# Altium PCB BW2098POE.PcbDoc (part 1 of 4) (continued)
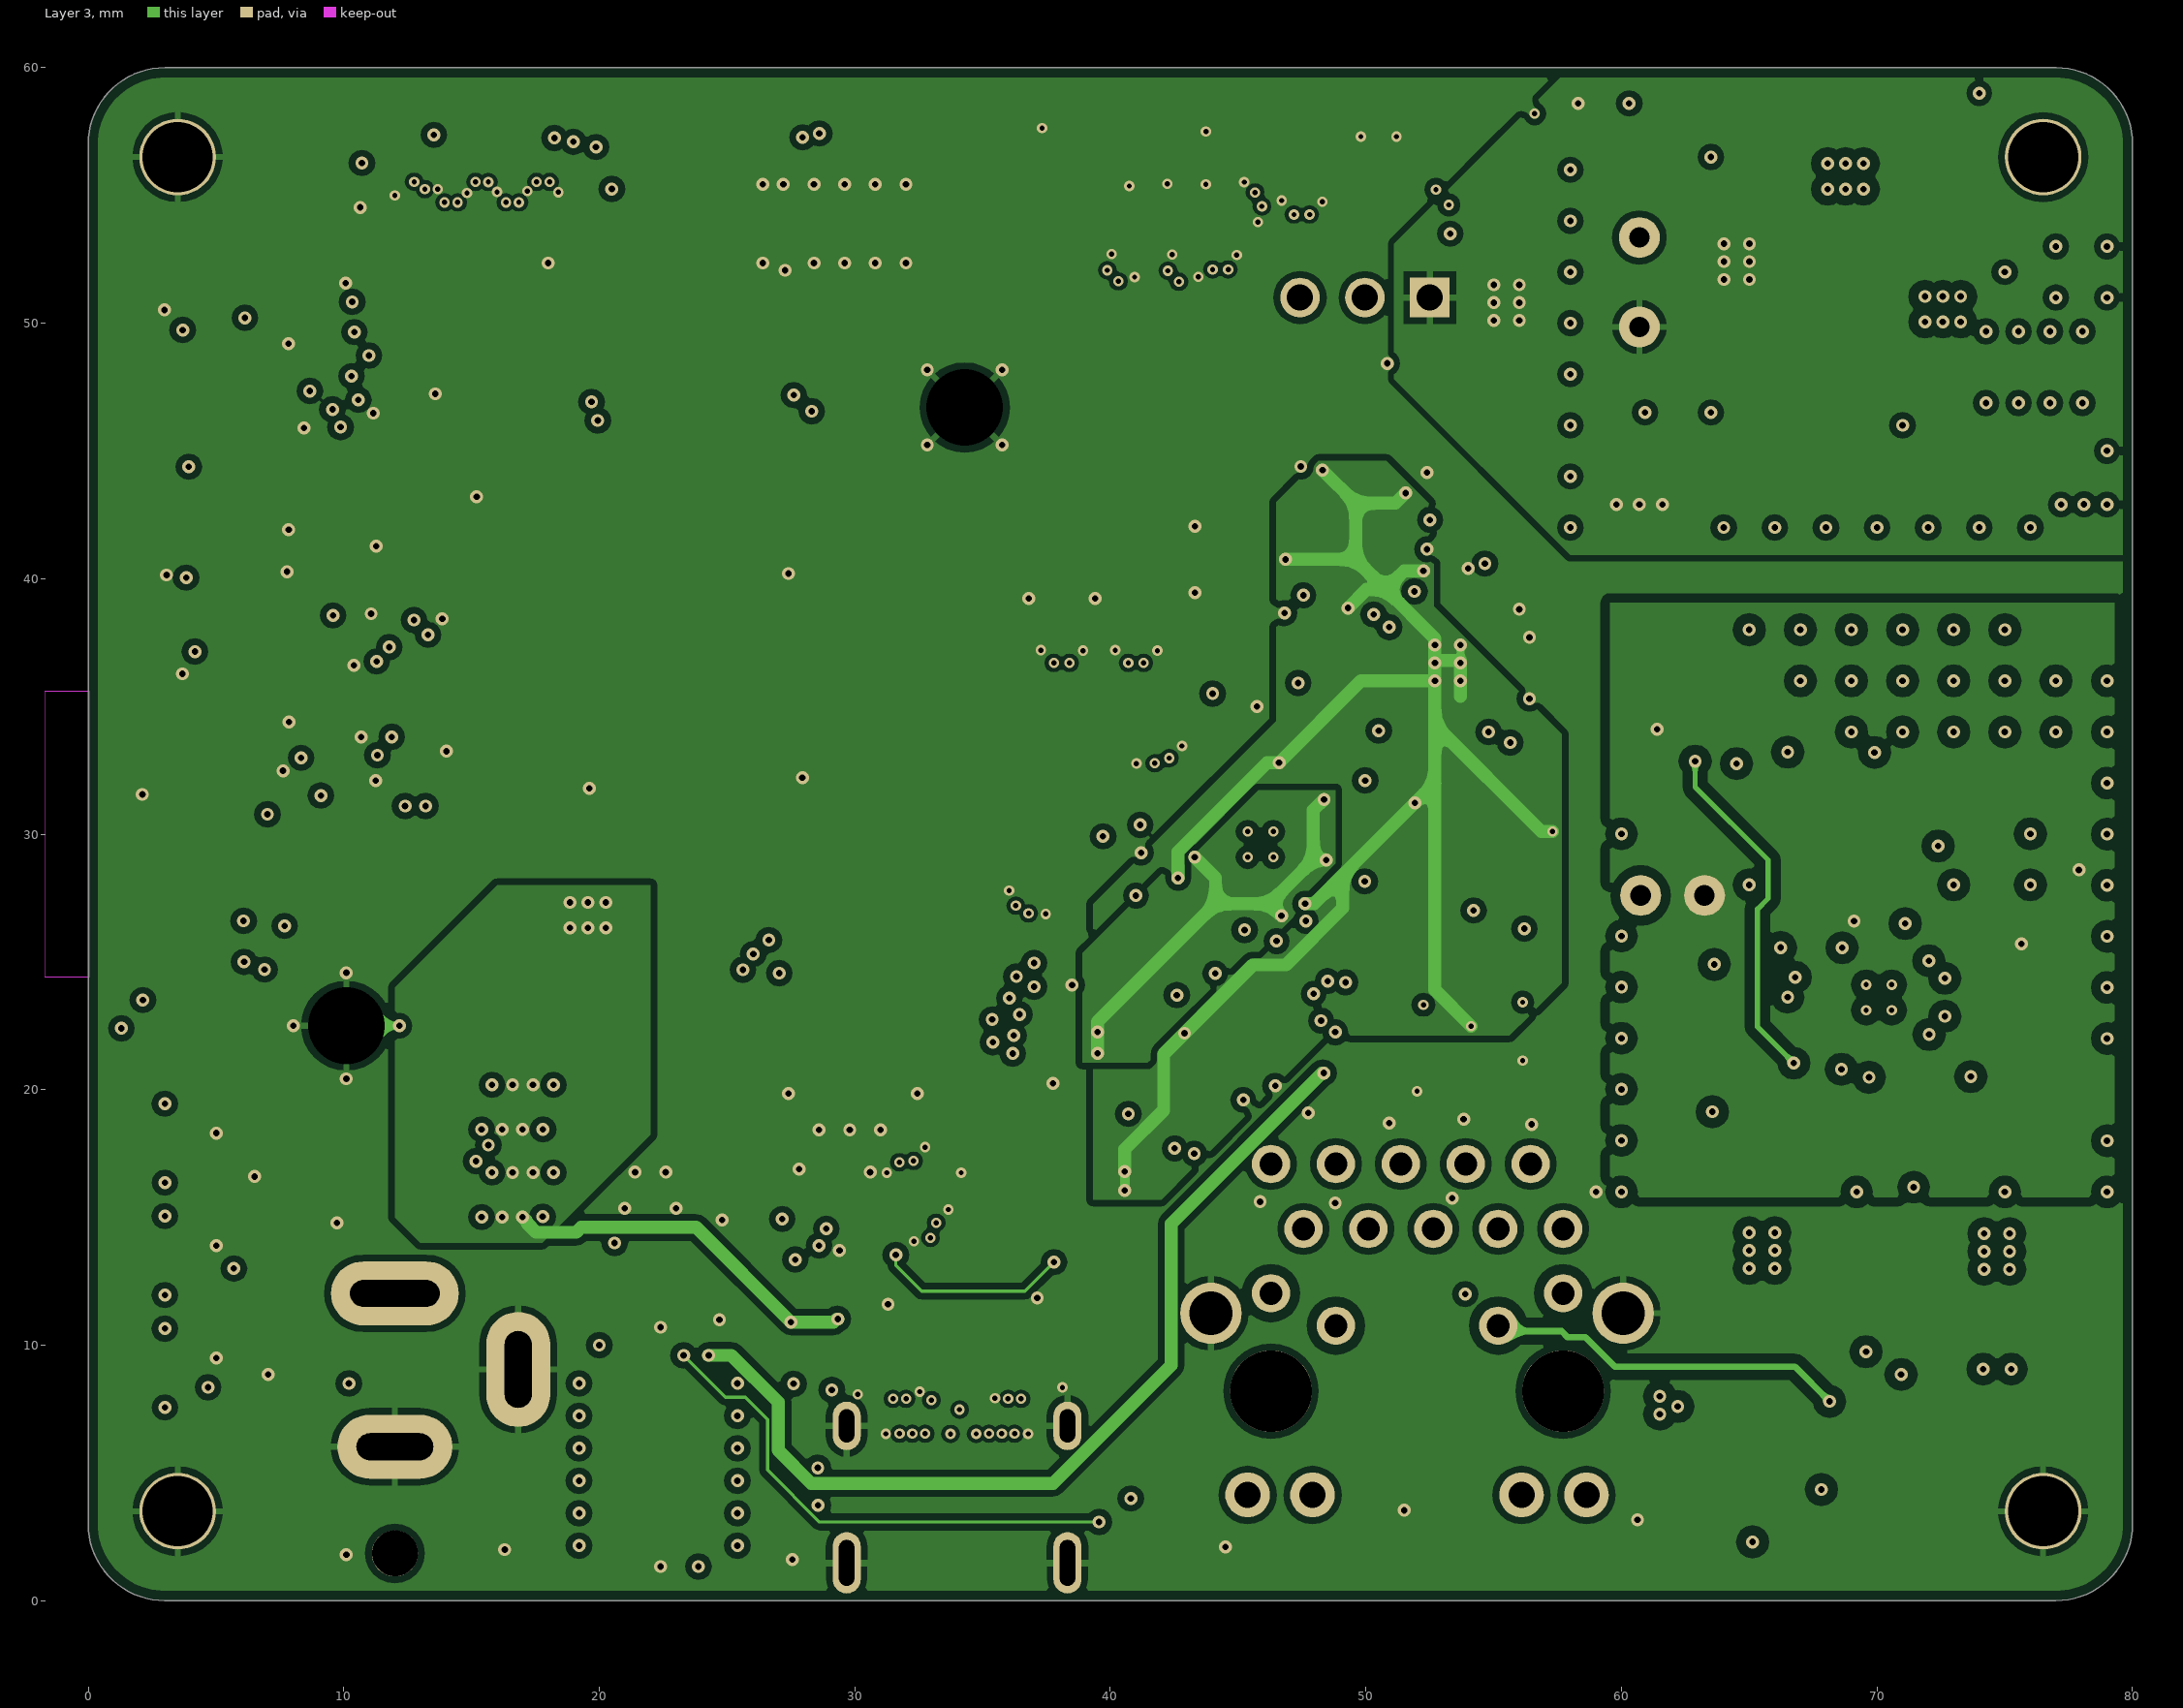
[diagram p3: Layer 3]

## Layer stack, top to bottom
Top Solder: solder mask 0.015, Solder Resist, Dk 3.8
Top Layer: signal copper 0.043
Dielectric 1: prepreg 0.21, FR-4, Dk 4.2
Layer 2: signal copper 0.036
Dielectric 2: core 1, FR-4, Dk 4.2
Layer 3: signal copper 0.036
Dielectric 3: prepreg 0.21, FR-4, Dk 4.2
Bottom Layer: signal copper 0.043
Bottom Solder: solder mask 0.015, Solder Resist, Dk 3.8

## Board outline
0,3 0,57 cw(c3,57) 3,60 2.994,60 77,60 cw(c77,57) 80,57 80,3 cw(c77,3) 77,0 2.996,0 3,0 cw(c3,3)

## Design rules (kind name [scope] priority, off if disabled: settings)
AssemblyTestPointUsage [All] p1: valid=2
BoardOutlineClearance [All] p1: gap=0.381 ignorepadtopadclearanceinfootprint=FALSE
Clearance Diff_Pair_Spacing [(InDifferentialPairClass('All Differential Pairs'))] p1: gap=0.102 ignorepadtopadclearanceinfootprint=TRUE except(0.089: Via-Via; 0.254: SMDPad-Poly THPad-Poly Via-Poly; 0.508: Arc-Poly Track-Poly Fill-Poly Poly-Poly)
Clearance PoE [InNetClass('PoE')] p2: gap=0.254 ignorepadtopadclearanceinfootprint=TRUE except(0.102: Track-SMDPad; 0.203: Arc-Track Track-Track; 0.381: Arc-Poly Track-Poly SMDPad-Poly THPad-Poly Via-Poly Fill-Poly Poly-Poly)
Clearance general [All] p3: gap=0.102 ignorepadtopadclearanceinfootprint=FALSE except(0.254: Arc-Poly Track-Poly SMDPad-Poly THPad-Poly Via-Poly Fill-Poly Poly-Poly Poly-Region Poly-Text Poly-Hole)
ComponentClearance [All] p1: gap=0 collisioncheckmode=3 verticalgap=0 showdistances=FALSE
DiffPairsRouting 85ohm [InDifferentialPairClass('85ohm')] p1: maxlimit=0.127 minlimit=0.102 mostfreqgap=0.102 toplayer_maxgap=0.102 toplayer_minwidth=0.223 toplayer_maxwidth=0.262 toplayer_prefwidth=0.223 midlayer1_maxgap=0.102 midlayer1_minwidth=0.11 midlayer1_maxwidth=0.134 midlayer1_prefwidth=0.11 midlayer2_minwidth=0.11 midlayer2_maxwidth=0.146 midlayer2_prefwidth=0.11 bottomlayer_maxgap=0.102 bottomlayer_minwidth=0.223 bottomlayer_maxwidth=0.262 bottomlayer_prefwidth=0.223 impedanceprofiledriven=TRUE impedanceprofileid={B2EF6B95-9841-4F3D-8FFB-9271AE929084} impedanceprofilevalue=85.000000 maxuncoupledlength=12.7
DiffPairsRouting 90ohm [InDifferentialPairClass('USB3')] p2: maxlimit=0.127 minlimit=0.102 mostfreqgap=0.102 toplayer_maxgap=0.102 toplayer_minwidth=0.178 toplayer_maxwidth=0.22 toplayer_prefwidth=0.178 midlayer1_maxgap=0.102 midlayer1_minwidth=0.087 midlayer1_maxwidth=0.107 midlayer1_prefwidth=0.087 midlayer2_minwidth=0.087 midlayer2_maxwidth=0.118 midlayer2_prefwidth=0.087 bottomlayer_maxgap=0.102 bottomlayer_minwidth=0.178 bottomlayer_maxwidth=0.22 bottomlayer_prefwidth=0.178 impedanceprofiledriven=TRUE impedanceprofileid={C56245C1-C5AB-4F6E-A437-C06DDAA5154F} impedanceprofilevalue=90.000000 maxuncoupledlength=12.7
DiffPairsRouting 100ohm [InDifferentialPairClass('100ohm')] p3: maxlimit=0.127 minlimit=0.102 mostfreqgap=0.102 toplayer_minwidth=0.13 toplayer_maxwidth=0.206 toplayer_prefwidth=0.13 midlayer1_minwidth=0.066 midlayer1_maxwidth=0.104 midlayer1_prefwidth=0.066 midlayer2_minwidth=0.066 midlayer2_maxwidth=0.104 midlayer2_prefwidth=0.066 bottomlayer_minwidth=0.13 bottomlayer_maxwidth=0.206 bottomlayer_prefwidth=0.13 impedanceprofiledriven=TRUE impedanceprofileid={CE2D0F07-EA82-46F5-BFF9-666C77EE5118} impedanceprofilevalue=100.000000 maxuncoupledlength=12.7
FabricationTestPointUsage [All] p1: valid=2 allowmultiple=FALSE
HoleSize [All] p1: absolutevalues=TRUE maxlimit=3.81 minlimit=0.025 maxpercent=80.000 minpercent=20.000
HoleToHoleClearance [All] p1: gap=0.254 allowstackedmicrovias=FALSE
MatchedLengths USBD_XSIG [InxSignalClass('USBD')] p1: tolerance=1.27 checknetsindiffpair=TRUE checkdiffpairvsdiffpair=FALSE checkxsignals=FALSE checkothers=FALSE
MatchedLengths USBRX_XSIG [InxSignalClass('USBRX')] p2: tolerance=0.127 checknetsindiffpair=TRUE checkdiffpairvsdiffpair=FALSE checkxsignals=FALSE checkothers=FALSE
MatchedLengths USBTX_XSIG [InxSignalClass('USBTX')] p3: tolerance=0.127 checknetsindiffpair=TRUE checkdiffpairvsdiffpair=FALSE checkxsignals=FALSE checkothers=FALSE
MatchedLengths SPI [InNetClass('QSPI')] p4: tolerance=25.4 checknetsindiffpair=FALSE checkdiffpairvsdiffpair=TRUE checkxsignals=TRUE checkothers=TRUE usedelayunits=TRUE delaytolerance=10.000000
MatchedLengths SDIO [InNetClass('SDIO')] p5: tolerance=25.4 checknetsindiffpair=FALSE checkdiffpairvsdiffpair=TRUE checkxsignals=TRUE checkothers=TRUE usedelayunits=TRUE delaytolerance=10.000000
MatchedLengths MIPI_A [InNetClass('MIPI_CAM_A')] p6: tolerance=25.4 checknetsindiffpair=FALSE checkdiffpairvsdiffpair=TRUE checkxsignals=TRUE checkothers=TRUE usedelayunits=TRUE delaytolerance=1.000000
MatchedLengths DIFF_PAIR [(InDifferentialPairClass('100ohm') or InDifferentialPairClass('85ohm'))] p7: tolerance=0.127 checknetsindiffpair=TRUE checkdiffpairvsdiffpair=FALSE checkxsignals=FALSE checkothers=FALSE
MinimumSolderMaskSliver USB3_Connector [HasFootprint('105450-0101')] p1: minsoldermaskwidth=0.003
MinimumSolderMaskSliver RTL8111 [HasFootprint('RTL8111HX-CG')] p2: minsoldermaskwidth=0.003
MinimumSolderMaskSliver [All] p3: minsoldermaskwidth=0.076
PlaneConnect [All] p1: pad.planeconnectstyle=Relief pad.reliefexpansion=0.508 pad.reliefentries=4 pad.reliefconductorwidth=0.254 pad.reliefairgap=0.254 via.planeconnectstyle=Direct via.reliefexpansion=0.508 via.reliefentries=4 via.reliefconductorwidth=0.254 via.reliefairgap=0.254
PolygonConnect DirectConnect [InPolygonClass('DirectConnectPoly')] p1: connectstyle=Direct reliefconductorwidth=0.254 reliefentries=4 polygonreliefangle="90 Angle" airgapwidth=0.254
PolygonConnect OuterLayerGND_PolyClass [InPolygonClass('OuterLayerGND')] p2: thpad.connectstyle=Relief thpad.reliefconductorwidth=0.254 thpad.reliefentries=4 thpad.polygonreliefangle="90 Angle" thpad.airgapwidth=0.254 smdpad.connectstyle=Relief smdpad.reliefconductorwidth=0.254 smdpad.reliefentries=4 smdpad.polygonreliefangle="90 Angle" smdpad.airgapwidth=0.254 via.connectstyle=Direct via.reliefconductorwidth=0.254 via.reliefentries=4 via.polygonreliefangle="90 Angle" via.airgapwidth=0.254
PolygonConnect PoE_Poly [InPolygonClass('PoE_Poly')] p3: thpad.connectstyle=Direct thpad.reliefconductorwidth=0.254 thpad.reliefentries=4 thpad.polygonreliefangle="90 Angle" thpad.airgapwidth=0.254 smdpad.connectstyle=Relief smdpad.reliefconductorwidth=0.254 smdpad.reliefentries=4 smdpad.polygonreliefangle="90 Angle" smdpad.airgapwidth=0.254 via.connectstyle=Direct via.reliefconductorwidth=0.254 via.reliefentries=4 via.polygonreliefangle="90 Angle" via.airgapwidth=0.254
PolygonConnect Default [All] p4: thpad.connectstyle=Relief thpad.reliefconductorwidth=0.254 thpad.reliefentries=4 thpad.polygonreliefangle="90 Angle" thpad.airgapwidth=0.254 smdpad.connectstyle=Relief smdpad.reliefconductorwidth=0.254 smdpad.reliefentries=4 smdpad.polygonreliefangle="90 Angle" smdpad.airgapwidth=0.254 via.connectstyle=Direct via.reliefconductorwidth=0.254 via.reliefentries=4 via.polygonreliefangle="90 Angle" via.airgapwidth=0.254
RoutingVias [All] p1: holewidth=0.254 width=0.508 viastyle="Through Hole" minholewidth=0.203 minwidth=0.406 maxholewidth=25.4 maxwidth=25.4 viatemplateguid#1={A1903244-CB7C-4A2A-95EA-261E7733D27A} viatemplatename#1=v41h20m0mx0
SilkToSilkClearance [All] p1: silktosilkclearance=0.025
SilkToSolderMaskClearance SilkscreenOverComponentPads [IsPad] p1: minsilkscreentomaskgap=0.127 clearancetoexposedcopper=TRUE
SolderMaskExpansion [All] p1: expansion=0.051 istentingtop=FALSE
UnRoutedNet [All] p1: checkbadconnections=TRUE
Width "Schematic Width Constraint_1" [InNetClass('PoE')] p1: maxlimit=1.27 minlimit=0.102 preferedwidth=0.381
Width [All] p2: maxlimit=2.54 minlimit=0.102 preferedwidth=0.127
19 further rules are at their usual default settings.

## Classes and differential pairs
polygon class OuterLayerGND: L1_GND L4_GND
polygon class PoE_Poly: GND_L02_P436 VNEG_IN_L01_P432 VNEG_L01_P434 VNEG_L04_P456 VPOS_IN_L01_P431 VPOS_L02_P437 VSS_L03_P442
polygon class DirectConnectPoly: 3V3_L01_P426 NETC6_2_L04_P452 PCIE_1V0_L01_P427 REGOUT_L01_P428 VNEG_IN_L04_P448 VPOS_IN_L04_P447 VPOS_IN_L04_P449
net class Power_trace: 3V3
component class U_POWER_GEN: C56 C57 C58 C59 C60 R68 R69 TP14 TP15 TP16 U9 U10
net class PoE: CT1 CT2 NetC6_2 SP1 SP2 SWO VNEG VNEG_IN VPOS VPOS_IN VSEC VSS
component class TopLevel: FID1 FID2 FID3 FID4 FID5 FID6 J9 J10 J11 MH1 MH2 MP1 MP2 MP3 MP4
differential pair class 85ohm: BRIDGE_REFCLK BRIDGE_REFCLK1 SDS_IO_CLKI SDS_IO_CLKI1 SDS_RXD SDS_TXD
differential pair class USB3: RXB RXC TXB TXB1 TXC TXC1 USB_D USB_RX USB_TX
net class USB: USB_D_N USB_D_P USB_RX_N USB_RX_P USB_TX_N USB_TX_P
net class SDIO: sd_hst0_clk sd_hst0_cmd sd_hst0_dat_0 sd_hst0_dat_1 sd_hst0_dat_2 sd_hst0_dat_3
net class QSPI: SPI_SCK SPI_SIO0 SPI_SIO1 SPI_SIO2 SPI_SIO3 SPI_SS_0
net class MIPI_CAM_C: MIPI_RX3_C_N MIPI_RX3_C_P MIPI_RX3_D0_N MIPI_RX3_D0_P MIPI_RX3_D1_N MIPI_RX3_D1_P
net class MIPI_CAM_B: MIPI_RX2_C_N MIPI_RX2_C_P MIPI_RX2_D0_N MIPI_RX2_D0_P MIPI_RX2_D1_N MIPI_RX2_D1_P
net class MIPI_CAM_A: MIPI_RX4_C_N MIPI_RX4_C_P MIPI_RX4_D0_N MIPI_RX4_D0_P MIPI_RX4_D1_N MIPI_RX4_D1_P MIPI_RX5_D0_N MIPI_RX5_D0_P MIPI_RX5_D1_N MIPI_RX5_D1_P
component class U_RJ45: C10 C12 C13 C14 C15 C16 C17 C50 C54 D8 D9 D10 D11 D12 D13 D14 D15 D16 D17 D18 J1 R57 R58 R59
component class U_ETH_PCIE_PHY: C21 C34 C36 C37 C38 C39 C40 C41 C42 C43 C44 C45 C46 C47 C48 C49 C52 C53 L2 Q1 R28 R29 R46 R47 R48 R49 R50 U4 U6 X1
component class U_BW2098_USB: C35 C73 C74 C76 C207 C208 C209 C211 C212 J14 R31 R32 R183 R185 R186 R187 R190 R213 R214 RZ28 RZ29 TP40 TP41 TP42 TP43 TP44 U61 U62
component class U_BW2098_MIPI_CAM: J6 TP3 TP4
differential pair class 100ohm: MD1 MD1_1 MD2 MD2_1 MD3 MD3_1 MD4 MD4_1 MIPI_RX2_C MIPI_RX2_D0 MIPI_RX2_D1 MIPI_RX3_C MIPI_RX3_D0 MIPI_RX3_D1 MIPI_RX4_C MIPI_RX4_D0 MIPI_RX4_D1 MIPI_RX5_D0 MIPI_RX5_D1
component class U_PCIE_CLK: C18 C19 C20 C27 C28 C29 C30 C31 C32 FB1 OS1 R6 R25 R26 R30 R33 R34 R35 R36 R37 R38 R39 R40 R41 R42 R43 R44 R45 R64 R65 RZ1 RZ2 U3 U7
component class U_CONNECTOR_B: J3 q R27
component class U_CONNECTOR_A: B1 J2
component class U_BOOT_JTAG_AUX: C51 C55 D1 D3 D6 D7 J4 J5 J7 J8 Q2 Q3 Q4 R1 R2 R7 R9 R16 R19 R20 R21 R22 R23 R51 R52 R53 R54 R55 R56 R60 R61 R62 R63 R66 R67 SW1 TP1 TP2 U8
net class ETH: MD1_N MD1_P MD2_N MD2_P MD3_N MD3_P MD4_N MD4_P
component class U_PoE_Si3404: C1 C2 C3 C4 C5 C6 C7 C8 C9 C11 C22 C23 C24 C25 C26 C33 D2 D4 D5 FB2 FB3 L1 R3 R4 R5 R8 R10 R11 R12 R13 R14 R15 R17 R18 R24 T1 TP5 TP6 TP7 TP8 TP9 TP10 TP11 TP12 TP13 U1 U2 U5
differential pair SDS_IO_CLKI1: +SDS_IO_CLKI1_P -SDS_IO_CLKI1_N
differential pair BRIDGE_REFCLK1: +BRIDGE_REFCLK1_P -BRIDGE_REFCLK1_N
differential pair USB_TX: +USB_TX_P -USB_TX_N
differential pair TXC: +TXC_P -TXC_N
differential pair TXC1: +TXC1_P -TXC1_N
differential pair TXB: +TXB_P -TXB_N
differential pair TXB1: +TXB1_P -TXB1_N
differential pair RXC: +RXC_P -RXC_N
differential pair RXB: +RXB_P -RXB_N
differential pair BRIDGE_REFCLK: +BRIDGE_REFCLK_P -BRIDGE_REFCLK_N
differential pair USB_RX: +USB_RX_P -USB_RX_N
differential pair USB_D: +USB_D_P -USB_D_N
differential pair SDS_TXD: +SDS_TXD_P -SDS_TXD_N
differential pair SDS_RXD: +SDS_RXD_P -SDS_RXD_N
differential pair SDS_IO_CLKI: +SDS_IO_CLKI_P -SDS_IO_CLKI_N
differential pair MIPI_RX5_D1: +MIPI_RX5_D1_P -MIPI_RX5_D1_N
differential pair MIPI_RX5_D0: +MIPI_RX5_D0_P -MIPI_RX5_D0_N
differential pair MIPI_RX4_D1: +MIPI_RX4_D1_P -MIPI_RX4_D1_N
differential pair MIPI_RX4_D0: +MIPI_RX4_D0_P -MIPI_RX4_D0_N
differential pair MIPI_RX4_C: +MIPI_RX4_C_P -MIPI_RX4_C_N
differential pair MIPI_RX3_D1: +MIPI_RX3_D1_P -MIPI_RX3_D1_N
differential pair MIPI_RX3_D0: +MIPI_RX3_D0_P -MIPI_RX3_D0_N
differential pair MIPI_RX3_C: +MIPI_RX3_C_P -MIPI_RX3_C_N
differential pair MIPI_RX2_D1: +MIPI_RX2_D1_P -MIPI_RX2_D1_N
differential pair MIPI_RX2_D0: +MIPI_RX2_D0_P -MIPI_RX2_D0_N
differential pair MIPI_RX2_C: +MIPI_RX2_C_P -MIPI_RX2_C_N
differential pair MD4: +MD4_P -MD4_N
differential pair MD3: +MD3_P -MD3_N
differential pair MD2: +MD2_P -MD2_N
differential pair MD1: +MD1_P -MD1_N

## Components (designator, comment, footprint, x,y, rotation, side; value= is the part's Value field where it differs from the comment)
B1 "Off-Mom, 50mA" DTSM-32N-V 4,25 r270 top
C1 "1uF 1210" CAPC1210(3225)280_N 63.6,19 r180 top
C2 "12uF 6.3mm" EEU-FC2A120 62,27.6 r0 top
C3 "1uF 1210" CAPC1210(3225)280_N 63.6,22.4 r180 top
C4 "0.1UF 0805" CAPC0805(2012)145_N 67.1,31.6 r180 bottom
C5 "1nF 0603 C0G" CAPC0603(1608)100_N 71.9,56.1 r0 bottom
C6 "100uF 1206" CAPC1206(3216)190_N 63.8,57.9 r0 top
C7 "1000uF 8mm" ECA-0JM102 60.7,51.6 r90 top
C8 "0.1UF 0805" CAPC0805(2012)145_N 73.4,17.6 r0 top
C9 "22NF 0603" CAPC0603(1608)100_N 64.9,55.9 r270 bottom
C10 "1nF 0402" CAPC0402(1005)60_N 64.3,10.2 r90 top
C11 "1uF 0402" CAPC0402(1005)70_N 75.188,24.812 r180 top
C12 "1nF 0402" CAPC0402(1005)60_N 67.414,10.2 r90 top
C13 "1nF 0402" CAPC0402(1005)60_N 68.971,10.2 r90 top
C14 "1nF 0402" CAPC0402(1005)60_N 70.529,10.2 r270 top
C15 "1nF 0402" CAPC0402(1005)60_N 73.643,10.2 r270 top
C16 "1nF 0402" CAPC0402(1005)60_N 72.086,10.2 r270 top
C17 "1nF 0402" CAPC0402(1005)60_N 75.2,10.2 r270 top
C18 "0.1uF 0402" CAPC0402(1005)70_N 54.3,24.7 r180 bottom
C19 "0.1uF 0402" CAPC0402(1005)70_N 56,27.7 r90 bottom
C20 "0.1uF 0402" CAPC0402(1005)70_N 49.558,35.117 r90 bottom
C21 "4.7uF 0603" CAPC0603(1608)100_N 40.25,27.75 r90 top
C22 "0.1uF 0402" CAPC0402(1005)60_N 66.733,22.09 r270 top
C23 "2.2nF 0603" CAPC0603(1608)100_N 62.25,45.5 r270 bottom
C24 "10nF 0402" CAPC0402(1005)60_N 61.4,32.75 r270 top
C25 "1nF 1206" CAPC1206(3216)190_N 78.1,40 r90 bottom
C26 "1nF 1206" CAPC1206(3216)190_N 60.7,40 r90 bottom
C27 "0.1uF 0402" CAPC0402(1005)70_N 46.1,39.1 r270 top
C28 "0.1uF 0402" CAPC0402(1005)70_N 53.1,43.7 r90 top
C29 "0.1uF 0402" CAPC0402(1005)70_N 47.9,45.1 r180 top
C30 "0.1uF 0402" CAPC0402(1005)70_N 53.1,40.7 r90 top
C31 "0.1uF 0402" CAPC0402(1005)70_N 50,37.5 r0 top
C32 "10uF 0402" CAPC0402(1005)70_N 51.524,40.95 r270 bottom
C33 "0.1UF 0805" CAPC0805(2012)145_N 69.7,12.8 r180 top
C34 "0.1uF 0402" CAPC0402(1005)70_N 42.2,27.6 r0 top
C35 "1uF 0402" CAPC0402(1005)70_N 27.849,15.193 r270 bottom
C36 "4.7uF 0603" CAPC0603(1608)100_N 38.5,22.5 r270 top
C37 "0.1uF 0402" CAPC0402(1005)70_N 39,20.25 r0 top
C38 "4.7uF 0603" CAPC0603(1608)100_N 49,34.8 r180 top
C39 "4.7uF 0603" CAPC0603(1608)100_N 50,25 r90 top
C40 "0.1uF 0402" CAPC0402(1005)70_N 48.5,25.5 r90 top
C41 "0.1uF 0402" CAPC0402(1005)70_N 46.75,34.5 r270 top
C42 "0.1uF 0402" CAPC0402(1005)70_N 49.5,28.75 r180 top
C43 "0.1uF 0402" CAPC0402(1005)70_N 49.5,31.5 r180 top
C44 "0.1uF 0402" CAPC0402(1005)70_N 42.25,29.25 r0 top
C45 "0.1uF 0402" CAPC0402(1005)70_N 47.25,25.5 r90 top
C46 "1uF 0402" CAPC0402(1005)70_N 47.225,29.269 r270 bottom
C47 "1uF 0402" CAPC0402(1005)70_N 44.525,29.263 r270 bottom
C48 "27pF 0402" CAPC0402(1005)60_N 44.55,23.75 r0 top
C49 "27pF 0402" CAPC0402(1005)60_N 46.7,23.75 r180 top
C50 "0.1UF 0805" CAPC0805(2012)145_N 52.1,12 r180 bottom
C51 "4.7uF 0603" CAPC0603(1608)100_N 8.1,16.6 r0 bottom
C52 "0.1uF 0402" CAPC0402(1005)70_N 44.8,18.87 r180 bottom
C53 "0.1uF 0402" CAPC0402(1005)70_N 42.5,22.9 r0 bottom
C54 "1nF 0402" CAPC0402(1005)60_N 65.857,10.2 r90 top
C55 "4.7uF 0603" CAPC0603(1608)100_N 6.019,40.281 r180 top
C56 "22uF 0603" CAPC0603(1608)100_N 54.7,42.4 r270 bottom
C57 "22uF 0603" CAPC0603(1608)100_N 55.6,36.5 r0 bottom
C58 "10nF 0402" CAPC0402(1005)60_N 53.3,42 r270 bottom
C59 "10uF 0603" CAPC0603(1608)100_N 54.9,21.2 r90 bottom
C60 "10uF 0603" CAPC0603(1608)100_N 49.7,21.2 r90 bottom
C73 "10uF 0402" CAPC0402(1005)70_N 26.887,2.07 r90 bottom
C74 "10uF 0402" CAPC0402(1005)70_N 34.392,15.495 r90 bottom
C76 "10uF 0402" CAPC0402(1005)70_N 30.5,10.75 r90 bottom
C207 "10uF 0402" CAPC0402(1005)70_N 28.21,2.04 r90 bottom
C208 "0.1uF 0201" CAPC0201(0603)33_L 33.475,9.75 r90 bottom
C209 "0.1uF 0201" CAPC0201(0603)33_L 34.075,9.75 r90 bottom
C211 "0.1uF 0201" CAPC0201(0603)33_L 35.475,9.75 r90 bottom
C212 "0.1uF 0201" CAPC0201(0603)33_L 36.075,9.75 r90 bottom
D1 "BAS16XV2T1G" BAS16XV2T1G 5.6,11.7 r180 bottom
D2 "1N4148W" 1N4148W-7-F 76.4,22.3 r0 top
D3 "ORANGE 0603" SML_D1xx8W 2.999,13.376 r270 top
D4 "RS1B" RS1B 72.2,30.9 r0 bottom
D5 "PDS1040" PDS1040-13 69.744,52.92 r0 bottom
D6 "RED 0603" SML_D1xx8W 3,17.775 r270 top
D7 "ORANGE 0603" SML_D1xx8W 3,8.975 r270 top
D8 "SS2150-L" SB1 77,11.568 r90 bottom
D9 "SS2150-L" SB1 72.4,11.568 r90 bottom
D10 "SS2150-L" SB1 68.468,6.6 r0 top
D11 "SS2150-L" SB1 68.532,2.5 r0 top
D12 "SS2150-L" SB1 67.813,11.6 r270 bottom
D13 "SS2150-L" SB1 63.22,11.6 r270 bottom
D14 "SS2150-L" SB1 67.9,4 r270 bottom
D15 "S1B" SB1 63.2,4 r270 bottom
D16 "GREEN 0603" SML_D1xx8W 62.8,2.3 r270 top
D17 "TPD4E02B04DQAR" TPD4E02B04DQAR 52.25,22.25 r0 top
D18 "TPD4E02B04DQAR" TPD4E02B04DQAR 56.133,22.25 r0 top
FB1 "80R/100MHz" BK1608HS800-T_N 47.658,33.617 r180 bottom
FB2 "700R/150Mhz" 742792040 63.2,15.2 r90 top
FB3 "700R/150Mhz" 742792040 77,15.2 r90 top
FID1 "FIDUCIAL_ROUND_1MM" FIDUCIAL_ROUND_1MM 78,52 r180 top
FID2 "FIDUCIAL_ROUND_1MM" FIDUCIAL_ROUND_1MM 2,52 r180 top
FID3 "FIDUCIAL_ROUND_1MM" FIDUCIAL_ROUND_1MM 41.5,2 r180 top
FID4 "FIDUCIAL_ROUND_1MM" FIDUCIAL_ROUND_1MM 72,2 r90 bottom
FID5 "FIDUCIAL_ROUND_1MM" FIDUCIAL_ROUND_1MM 78,52 r90 bottom
FID6 "FIDUCIAL_ROUND_1MM" FIDUCIAL_ROUND_1MM 8,2 r90 bottom
J1 "802.3af PoE" TRJG0926HENL 52,8.2 r0 top
J2 "BW2098_A Receptacle" DF40HC-3.0-100DS-0.4V_minpad 22.2,54.6 r90 top
J3 "BW2098_B Receptacle" DF40HC-3.0-100DS-0.4V_minpad 25.2,17.6 r90 top locked
J4 "SFV10R-2STE1HLF Top Contact" SFV10R-2STE1HLF 4,30 r90 bottom
J5 "20021121-00010T1LF" 20021121-00010T1LF 4,46.27 r270 top
J6 "54548-2671 Bottom Contact" 54548-2671 47,56.6 r180 top
J7 "uSD push/pull" 104031-0811 7,45 r90 bottom
J8 "20021121-00010T1LF" 20021121-00010T1LF 4,35 r270 top
J9 "PJ-050AH or NEB21R" PJ-050AH/NEB21R_COMBO 12,6 r0 top locked
J10 "PTH HDR 2.54mm" 68000-103HLF 49.96,51 r180 top
J11 "SPC02SYAN" SPC02SYAN 48.5,51 r0 top
J14 "USB3.1 TYPEC 24P SMD RA" 105450-0101 34,6.6 r0 top locked
L1 "1uH 2.9A" DO1608C-102MLX 68.8,54.8 r270 top
L2 "2.2uH 0.61A 97mR" LQH32NH2R2J23L 41,23 r270 top
MH1 "M2, 3MM steel spacer on M2.5 mounting pad" 9774030243R 34.3,46.7 r45 top
MH2 "M2, 3MM steel spacer on M2.5 mounting pad" 9774030243R 10.1,22.5 r180 top
MP1 "MOUNTING_HOLE_M2.5" MOUNTING_HOLE_M2.5 3.5,3.5 r180 top
MP2 "MOUNTING_HOLE_M2.5" MOUNTING_HOLE_M2.5 3.5,56.5 r180 top
MP3 "MOUNTING_HOLE_M2.5" MOUNTING_HOLE_M2.5 76.5,56.5 r180 top
MP4 "MOUNTING_HOLE_M2.5" MOUNTING_HOLE_M2.5 76.5,3.5 r180 top locked
OS1 "25MHz OSC" ASDMB-25.000MHZ-LC-T 47.358,35.917 r90 bottom
Q1 "PREBIAS'd DDTC114YCA-7-F" DDTC114YCA-7-F 41.2,25.8 r90 bottom
Q2 "RE1C002UNTCL" RE1C002UNTCL 3.609,14.401 r270 bottom
Q3 "RE1C002UNTCL" RE1C002UNTCL 3.61,18.8 r270 bottom
Q4 "RE1C002UNTCL" RE1C002UNTCL 3.61,10 r270 bottom
R1 "10K 0402" RESC0402(1005)_N 21.958,11.45 r180 bottom
R2 "1K 0402" RESC0402(1005)_N 24.331,8.524 r180 bottom
R3 "10R 0603" RESC0603(1608)_N 77.733,24.861 r90 top
R4 "18K 0603" RESC0603(1608)_N 67.3,29.8 r180 bottom
R5 "6.8R 0805" RESC0805(2012)_N 69.65,57.9 r180 bottom
R6 "10K 0402" RESC0402(1005)_N 51.9,27.6 r270 bottom
R7 "1K 0402" RESC0402(1005)_N 24.331,5.964 r180 bottom
R8 "88.7K 0805" RESC0805(2012)_N 73.4,19.6 r180 top
R9 "1K 0402" RESC0402(1005)_N 24.331,7.244 r180 bottom
R10 "48.7R 0805" RESC0805(2012)_N 70.6,18.3 r90 top
R11 "24.3k 0805" RESC0805(2012)_N 67.8,17.5 r0 top
R12 "4.99k 0603" RESC0603(1608)_N 63.7,31.8 r180 top
R13 "0.62R 0805" RESC0805(2012)_N 67.8,19.5 r180 top
R14 "36.5k 0603" RESC0603(1608)_N 72.5,45 r90 bottom
R15 "12.1k 0603" RESC0603(1608)_N 74.25,45 r270 bottom
R16 "1K 0402" RESC0402(1005)_N 24.331,2.124 r180 bottom
R17 "0R 0603" RESC0603(1608)_N 64,43.25 r180 bottom
R18 "0R 0603" RESC0603(1608)_N 63.7,33.8 r0 top
R19 "10K 0402" RESC0402(1005)_N 21.931,7.244 r0 bottom
R20 "10K 0402" RESC0402(1005)_N 21.931,5.964 r0 bottom
R21 "10K 0402" RESC0402(1005)_N 21.931,4.684 r0 bottom
R22 "10K 0402" RESC0402(1005)_N 21.931,3.404 r0 bottom
R23 "10K 0402" RESC0402(1005)_N 21.931,2.124 r0 bottom
R24 "2.05k 0603" RESC0603(1608)_N 65.8,46 r0 bottom
R25 "10K 0402" RESC0402(1005)_N 53.9,30.7 r0 bottom
R26 "10K 0402" RESC0402(1005)_N 56,29.9 r90 bottom
R27 "0R 0603" RESC0603(1608)_N 22.4,12.5 r0 top
R28 "10K 0402" RESC0402(1005)_N 42.3,29.9 r180 bottom
R29 "10K 0402" RESC0402(1005)_N 38.552,28.266 r90 top
R30 "10K 0402" RESC0402(1005)_N 45.158,36.417 r90 bottom
R31 "10K 0402" RESC0402(1005)_N 25.85,10.55 r180 bottom
R32 "10K 0402" RESC0402(1005)_N 25.85,11.55 r180 bottom
R33 "22R 0402" RESC0402(1005)_L 43.9,41.2 r0 top
R34 "22R 0402" RESC0402(1005)_L 38.554,39.817 r90 top
R35 "10K 0402" RESC0402(1005)_N 54.463,42.75 r270 top
R36 "22R 0402" RESC0402(1005)_L 37.654,39.817 r90 top
R37 "10K 0402" RESC0402(1005)_N 48.45,39.55 r270 bottom
R38 "10K 0402" RESC0402(1005)_N 51.7,45.625 r90 top
R39 "10K 0402" RESC0402(1005)_N 49.975,45.625 r90 top